# Altium PCB EL2086.PcbDoc (part 4 of 4) (continued)
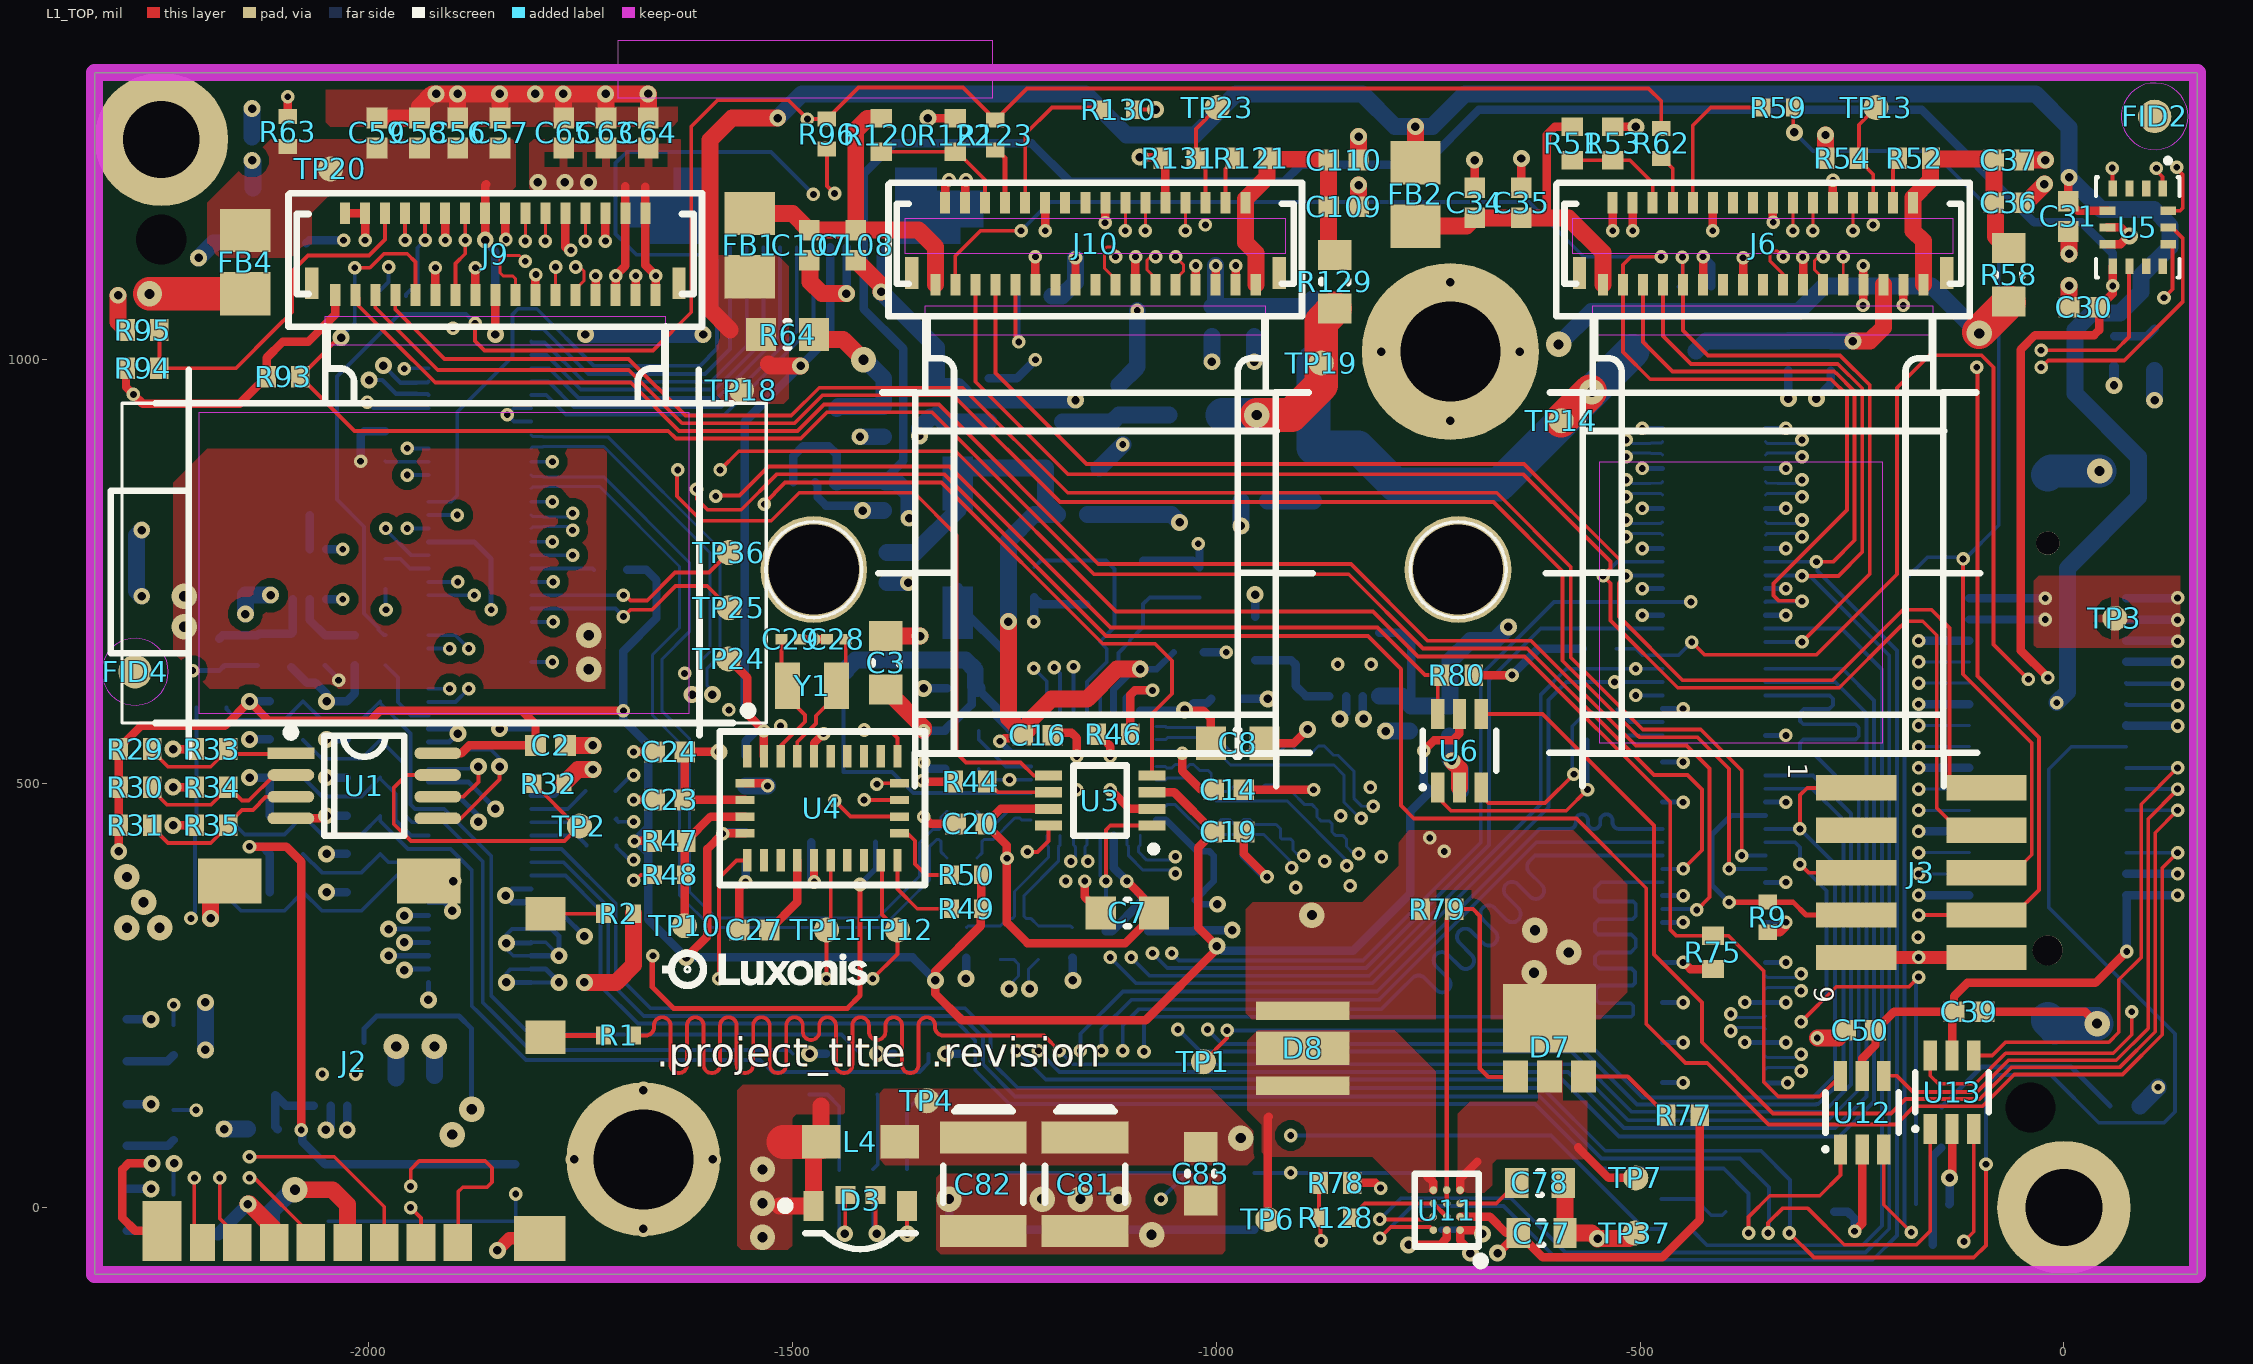
[diagram p0: L1_TOP view]
## Nets (pads, with @x,y where several pads share a name; then routed paths per layer and width w, separated by ;. In a path a pad name is that pad's centre, name@x,y a point inside that pad or via, vN(x,y) a via of type N, cw(c..) or ccw(c..) an arc to the next point about the centre after c; other vN are vias at no path point) (continued)
  L6_BOT w4.5: v1(-1052.22,300) -1043.72,291.5 -826.81,291.5 -687.83,430.48 -687.83,628.17 -601.66,714.34 J4.74@-473.35,714.34 v1(-440,714.34)
STRB: J3.6 R59.2 R78.2 R97.2 R128.2 R130.2 U12.3 | length 5737.3
  L1_TOP w4.3: U12.3@-212.41,68.69 -212.41,3.41 v1(-180,-29)
  L1_TOP w4.5: R130.2@-1097.28,1295 v2(-1071.35,1295) ; R59.2@-319.28,1297.42 -319.28,1269.28 v2(-318,1268) ; v1(-119,765) -119,629 -37.96,547.96 -37.96,416.21 -59.17,395 J3.6@-91.46,395
  L1_TOP w5: R78.2@-878.69,29 -878.69,-10.03 R128.2@-876.72,-12 -876.72,-38.28 v1(-876,-39)
  L3_HS w4.5: v1(-1976,1109.35) -1927,1060.35 -1927,844.9 -1934.9,837 -2052.02,837 -2107.5,892.48 -2107.5,1192.75 -2022.75,1277.5 -1631.5,1277.5 -1605.17,1303.83 -1081.73,1303.83 v2@-1072.9,1295 ; v2@-1069.79,1295 -1060.96,1303.83 -353.83,1303.83 v2(-318,1268) ; v1(-876,-39) -868.54,-31.54 -868.54,19.46 -841,47 -708,47 -608.01,-52.99 -203.99,-52.99 v1(-180,-29)
  L6_BOT w4.5: R97.2@-1990.72,1075 -1990.72,1076.97 -1976,1091.69 v1(-1976,1109.35) ; v2(-318,1268) -296,1246 -156,1246 -77,1167 -77,1011.1 -77,804.74 -116.74,765 v1(-119,765) -121,767 -161,767 -188,740 -188,-21 v1(-180,-29)
STRB/SCK: J7.25 U12.4 | length 708
  L1_TOP w4.3: U12.4@-212.41,155.31 -197,155.31 -177.99,136.3 -102.7,136.3 -66,173 -65.4,173.6 61.6,173.6 99.3,211.3 99.3,458.3 134,493 v1(134,493.58)
  L6_BOT w4.5: J7.25@73.35,493.58 v1(134,493.58)
STRB/SCK_SEL: R75.2 R113.1 U12.6 | length 2262
  L1_TOP w4.3: R75.2@-414,320.69 -395.69,320.69 -354,279 -354,148 -337,131 -287.9,131 U12.6@-263.59,155.31
  L1_TOP w4.5: v1(-1585,870) -1563,892 -1307,892 -1118,703 -815,703 -762,650 -636.32,650 -464.27,477.95 -464.27,327.27 -457.69,320.69 R75.2@-414,320.69
  L3_HS w4.5: v1(-1687,510) -1670,527 -1670,632 -1573,729 -1573,858 v1(-1585,870)
  L6_BOT w4.5: R113.1@-1708.19,491.24 -1689.43,510 v1(-1687,510)
STRB_IR_DRV: R128.1 U11.B2 U11.C3 | length 126.8
  L1_TOP w5: R128.1@-841.28,-12 -824.41,4.87 U11.C3@-743.75,4.87 U11.B2@-728,-10.87
STRB_L: J6.10 R59.1 | length 183.1
  L1_TOP w4.5: J6.10@-437.78,1184.95 -437.78,1200 -437.78,1276.21 -416.57,1297.42 R59.1@-354.72,1297.42
STRB_R: J10.10 R130.1 | length 187.4
  L1_TOP w4.5: J10.10@-1225.18,1184.95 -1225.18,1265.8 -1193.57,1297.42 -1135.14,1297.42 R130.1@-1132.72,1295
STRB_TOF: J9.10 R97.1 | length 107.1
  L1_TOP w4.5: v1(-1932.89,1140.78) J9.10@-1932.89,1172.85
  L6_BOT w4.5: R97.1@-1955.28,1075 -1955.28,1076.97 -1941.72,1090.54 -1941.72,1131.95 v1(-1932.89,1140.78)
SYS_RST: J1.6 J5.89 | length 478.5
  L6_BOT w4.5: J5.89@-1807.8,958.44 -1807.68,958.32 -1789.98,958.32 -1766.66,935 -1742,935 -1580,935 -1474.88,1040.12 J1.6@-1474.88,1132.42
TCK: J1.2 J5.97 | length 407.4
  L6_BOT w4.5: J5.97@-1807.8,1021.43 -1806.75,1020.38 -1791.93,1020.38 -1745.54,974 -1742,974 -1596,974 -1553.62,1016.38 J1.2@-1553.62,1132.42
TDI: J1.3 J5.95 | length 424.5
  L6_BOT w4.5: J5.95@-1807.8,1005.68 -1807.75,1005.64 -1789.91,1005.64 -1749.27,965 -1742,965 -1591.31,965 -1533.94,1022.37 J1.3@-1533.94,1132.42
TDO: J1.5 J5.91 | length 461.9
  L6_BOT w4.5: J5.91@-1807.8,974.18 -1787.57,974.18 -1757.38,944 -1742,944 -1583.73,944 -1494.57,1033.16 J1.5@-1494.57,1132.42
TMS: J1.1 J5.99 | length 389
  L6_BOT w4.5: J5.99@-1807.8,1037.18 -1806.75,1036.13 -1793.52,1036.13 -1782.38,1025 -1742,984.62 -1740.38,983 -1602.84,983 -1573.31,1012.54 J1.1@-1573.31,1132.42
TRST: J1.4 J5.93 | length 442.2
  L6_BOT w4.5: J5.93@-1807.8,989.93 -1786.93,989.93 -1752,955 -1742,955 -1588,955 -1514.25,1028.75 J1.4@-1514.25,1132.42
USB_D_N: J5.90 J7.21 | length 3375.6
  L3_HS w5.5: v2@-1998.96,976.04 -1984.15,976.04 -1974,965.9 -1974,938 -1981,931 -2033.32,931 -2066.25,963.93 -2066.25,1039 -2066.25,1041.75 -2056.25,1051.75 -2056.25,1061.75 -2066.8,1072.3 -2066.8,1082.3 -2056.25,1092.85 -2056.25,1102.85 -2066.8,1113.4 -2066.8,1123.4 -2056.25,1133.95 -2056.25,1143.95 -2066.25,1153.95 -2066.25,1166.27 -2066.25,1175.07 -2002.82,1238.5 -1405.5,1238.5 -1008.75,841.75 -671.16,841.75 -618.5,789.09 -618.5,625.57 -488.18,495.25 -310.59,495.25 -293.99,511.85 -292.05,513.79 -277.9,513.79 -270.83,520.86 -270.83,535.78 -263.76,542.85 -248.84,542.85 -241.77,549.93 -241.77,564.07 -236.63,569.21 -222.5,583.34 -222.5,660.32 -185.32,697.5 -93.18,697.5 -45.43,649.75 39.25,649.75 50.5,638.5 52.44,636.56 52.44,622.41 59.52,615.34 73.66,615.34 83.5,605.5 86,603 91,603 98.52,595.48 106.48,595.48 114,603 123,603 v1(134,592)
  L6_BOT w5: v2(-1998.97,976.03) -1983.41,976.03 -1967.19,959.81 -1942.75,959.81 -1942.42,959.48 -1930.1,959.48 J5.90@-1929.05,958.44 ; J7.21@73.35,593.58 74.15,592.79 133.21,592.79 v1(134,592)
USB_D_P: J5.92 J7.20 | length 3372.5
  L3_HS w5.5: v2(-1982,993) -1960.5,971.49 -1960.5,932.41 -1975.41,917.5 -2038.91,917.5 -2079.75,958.34 -2079.75,1180.66 -2008.41,1252 -1399.91,1252 -1217.91,1070 -1003.16,855.25 -665.57,855.25 -605,794.68 -605,631.16 -482.59,508.75 -316.18,508.75 -236,588.93 -236,665.91 -197,704.91 -190.91,711 -87.59,711 -39.84,663.25 44.84,663.25 91.59,616.5 133.5,616.5 v1(134,617)
  L6_BOT w5: v2(-1982,993) -1961.81,972.81 -1942.75,972.81 -1942.42,973.14 -1930.1,973.14 J5.92@-1929.05,974.18 ; J7.20@73.35,618.58 74.15,617.79 133.21,617.79 v1(134,617)
VDD_5V: C42.2 C43.2 C44.2 C47.2 C48.2 C80.2 C100.2 D3.1 J5.5 J5.6 J5.7 J5.8 J5.9 J5.10 J5.11 J5.12 J7.14 J7.15 J7.16 J7.17 J7.18 L4.1 R3.2 R4.2 R60.2 R124.2 TP3.1 U8.1 U8.8 U9.1 U9.3 U10.1 U10.8 U22.1 | length 1937.1
  L1_TOP w20: -1515,2.11 D3.1@-1474.68,2.11 -1474.68,68.56 L4.1@-1465.83,77.42 -1465.83,120
  L1_TOP w40: -1510,77.42 L4.1@-1465.83,77.42
  L6_BOT w4.3: J5.5@-1807.8,297.02 -1829.02,297.02 -1837,305 v2(-1837,312) -1837,322 -1830.49,328.51 J5.9@-1807.8,328.51 ; J5.7@-1807.8,312.77 -1790.75,312.77 v2(-1775,297.02)
  L6_BOT w6: R124.2@-2050.74,639.39 -2035,623.65 v1(-2035,621.9) ; U8.8@-2005.04,194.82 -2005.04,210.96 -1990,226 -1893,226 -1878,211 v3@-1878,116.25 ; v2(-1975.95,297.02) J5.6@-1929.05,297.02 ; v2(-1975.95,328.51) J5.10@-1929.05,328.51 ; v2(-1957.28,312.77) J5.8@-1929.05,312.77 ; v2(-1957.28,344.26) J5.12@-1929.05,344.26 ; v3(-1878,116) v3@-1878,116.25 ; v3@-1873,121.25 v3@-1878,116.25 ; v2(-1837,312) -1808.56,312 J5.7@-1807.8,312.77 ; J5.5@-1807.8,297.02 v2(-1775,297.02) -1775,320 -1783.51,328.51 J5.9@-1807.8,328.51 ; J5.11@-1807.8,344.26 -1769.26,344.26 v2(-1745,320)
  L6_BOT w10: v1(-2009,880.28) -2009,911.19 -2004.48,915.72 R60.2@-1980,915.72 ; U9.3@-1267.87,978.01 -1235.07,978.01 v1(-1213.08,1000) ; U10.8@-807.32,678 -782,678 -769.97,665.97 C47.2@-769.97,591.72 ; J7.14@-111.69,693.58 v1(-22,693.58) ; J7.15@-111.69,718.58 v1(-22,718.58) ; J7.18@73.35,668.58 73.65,668.29 133.71,668.29 v1(134,668) ; J7.17@73.35,693.58 73.65,693.29 133.71,693.29 v1(134,693) ; J7.16@73.35,718.58 73.56,718.79 133.79,718.79 v1(134,719)
  L6_BOT w11.81: v2(59,969.72) R3.2@59,992
  L6_BOT w20: v2(-1350,910) -1350,919.11 -1336.61,932.5 -1331.77,932.5 C44.2@-1329.57,934.7 -1321.69,926.83 U9.1@-1267.87,926.83 ; U10.1@-807.32,603.2 -781.45,603.2 C47.2@-772,593.75 -769.97,591.72 C48.2@-725,591.72 ; C48.2@-724,591.72 -724,645 -700,669 -671.32,669 v2(-655.32,685) ; R4.2@89.72,120 111,141.28 v1(111,142)
  other v3: -1535,-35 -1535,5 -1535,45 -1901,86 -1740,635 -1740,675 -2217,685 -2217,721
XI: C21.2 R45.1 U2.28 X1.1 | length 289
  L6_BOT w4.5: C21.2@-1214.57,755.14 -1206.69,763.01 X1.1@-1153.03,763.01 -1130.01,763.01 -1120,753 -1120,684.7 R45.1@-1137.28,667.42 -1129,659.14 -1129,643.28 -1152.44,619.84 U2.28@-1152.44,586.24
XIN: C29.2 U4.27 Y1.1 | length 161.3
  L1_TOP w4.5: U4.27@-1513.62,532.42 -1513.62,544.38 -1485,573 -1485,581 -1505.31,601.31 Y1.1@-1505.31,615.42 -1512.59,622.7 C29.2@-1512.59,670.42
XO: C22.2 R45.2 U2.29 X1.3 | length 216.3
  L6_BOT w4.5: U2.29@-1136.69,586.24 -1136.69,616.31 -1115,638 -1115,654.27 R45.2@-1101.85,667.42 -1101.85,669.15 -1086.1,684.9 X1.3@-1086.1,711.83 -1078.23,719.7 C22.2@-1019.57,719.7
XOUT: C28.2 U4.26 Y1.2 | length 161.7
  L1_TOP w4.5: U4.26@-1493.94,532.42 -1493.94,549.06 -1472,571 -1472,580 -1447.83,604.17 Y1.2@-1447.83,615.42 -1436.8,626.44 C28.2@-1436.8,670.42
pads on no net: FID1.1 FID2.1 FID3.1 FID4.1 J1.11 J1.12 J3.3 J4.4 J4.6 J4.10 J4.12 J4.16 J4.18 J4.22 J4.24 J4.42 J4.46 J4.48 J4.49 J4.51 J4.52 J4.55 J4.57 J4.68 J5.31 J5.33 J5.35 J5.37 J5.41 J5.43 J5.45 J5.47 J5.48 J5.50 J5.51 J5.53 J5.56 J5.58 J5.76 J5.84 J5.86 J5.96 J5.98 J6.0 J6.13 J6.14 J6.16 J6.17 J7.27 J7.C1 J7.C2 J9.0 J10.0 J10.13 J10.14 J10.16 J10.17 U4.1 U4.7 U4.8 U4.12 U4.13 U4.21 U4.22 U4.23 U4.24 U5.2 U5.3 U5.10 U5.11 U7.4 U8.6 U9.4 U10.6

## Polygon pours and split planes (outlines as drawn)
3V3 on L4_POWER "3V3_L04_P000" (solid, remove dead copper, pour order 0): -1335,805 -1335,860 -1490,1015 -1490,1290 -1535,1335 -2250,1335 -2300,1285 -2300,-67 -2287,-80 -2080,-80 -2065,-65 -2065,928 -2038,955 -1588,955 -1418,785 -1355,785
5V_LED on L4_POWER "5V_LED_L04_P012" (solid, pour order 12): -1040,-110.7 -1040,220 -511.72,220 -490,198.28 -490,-130
VDD_5V on L4_POWER "VDD_5V_L04_P018" (solid, remove dead copper, pour order 18): -2322.83,-78.74 157.48,-78.74 157.48,1338.58 -2322.83,1338.58
NetC49_2 on L6_BOT "NETC49_2_L06_P022" (solid, pour order 22): -921,858 -928,851 -928,673 -922,667 -862,667 -859,670 -859,852.63 -864.37,858
NetL6_1 on L6_BOT "NETL6_1_L06_P020" (solid, pour order 20): -2235,886 -2239,882 -2239,810 -2232,803 -2091.74,803 -2089.74,805 -2060,805 -2057,808 -2057,881 -2062,886
VDD_5V on L6_BOT "VDD_5V_L06_P019" (solid, pour order 19): -2237.6,707.6 -2237.6,673.6 -2234,670 -2201,670 -2199,672 -2199,696 -2195,700 -2171.86,723.14 -2171.86,740 -2166.86,745 -2087.48,745 -2075,757.48 -2075,790 -2080,795 -2230,795 -2237.6,787.4
3V3 on L6_BOT "3V3_L06_P017" (solid, pour order 17): -2302,393 -2295,400 -2230,400 -2225,395 -2225,325 -2210,310 -2210,260 -2215,255 -2296,255 -2302,261
NetL2_1 on L6_BOT "NETL2_1_L06_P016" (solid, pour order 16): -2047,330 -2050,327 -2050,229.14 -2029,208.14 -2029,187 -2020,187 -2020,215 -2007,228 -2007,324 -2013,330
NetC46_2 on L6_BOT "NETC46_2_L06_P015" (solid, pour order 15): -2181,333 -2184,330 -2184,250 -2171,237 -2171,176.81 -2162.19,168 -2098,168 -2080,186 -2061,186 -2061,217 -2082,238 -2082,327 -2088,333
VDD_5V on L6_BOT "VDD_5V_L06_P014" (solid, pour order 14): -2009,130 -2009,76 -2004,71 -1869,71 -1863,77 -1863,123 -1870,130
GND on L6_BOT "GND_L06_P007" (solid, pour order 7): -1935,1318.58 -1935,1263.42 -1931.58,1260 -1718.18,1260 -1716,1262.18 -1716,1335 -1927.89,1335 -1935,1327.89
NetC101_2 on L6_BOT "NETC101_2_L06_P006" (solid, pour order 6): -2107,1109 -2114,1102 -2229,1102 -2234,1097 -2234,1024 -2227,1017 -2071,1017 -2040,1048 -2040,1240 -2020,1260 -1950,1260 -1945,1265 -1945,1310 -1953,1318 -2093,1318 -2107,1304
3V3_VCSEL on L6_BOT "3V3_VCSEL_L06_P004" (solid, pour order 4): -1725,1125 -1731.81,1118.19 -1731.81,1056.81 -1730,1055 -1600,1055 -1595,1060 -1595,1115 -1605,1125
3V3_VCSEL on L6_BOT "3V3_VCSEL_L06_P002" (solid, pour order 2): -2000,1240 -2005,1235 -2005,1162.28 -2002.72,1160 -1715,1160 -1710,1165 -1710,1225 -1725,1240
NetL3_1 on L6_BOT "NETL3_1_L06_P001" (solid, pour order 1): -836.84,669.84 -834,667 -821,667 -820,668 -820,690.59 -799.75,710.84 -799.75,791.75 -804,796 -833.84,796 -836.84,793
5V_LED on L1_TOP "5V_LED_L01_P010" (solid, pour order 10): -1391.71,140 -1396.71,135 -1396.71,56.71 -1390,50 -963,50 -955,58 -955,89 -1006,140
GND on L1_TOP "GND_L01_P027" (solid, pour order 27): -1641,1275 -1635,1281 -1635,1331 -1640,1336 -2038.57,1336 -2050,1324.57 -2050,1280 -2045,1275
GND on L1_TOP "GND_L01_P026" (solid, pour order 26): -802,222 -958,222 -965,229 -965,352 -957,360 -922.94,359.94 -922.87,360 -827.71,360 -784.65,403.06 -784.65,430.42 -772.5,445 -563.95,445 -515,396.05 -515,254 -547,222
VDD_5V on L1_TOP "VDD_5V_L01_P024" (solid, pour order 24): -1718.46,895 -2190,895 -2230,855 -2230,655 -2186.98,611.98 -1720.28,611.98
VDD_5V on L1_TOP "VDD_5V_L01_P023" (solid, pour order 23): -1443,145 -1438,140 -1438,112 -1440,110 -1495,110 -1500,105 -1500,-45 -1505,-50 -1560,-50 -1565,-45 -1565,138.56 -1558.56,145
1V8 on L1_TOP "1V8_L01_P021" (solid, pour order 21): -1589,958 -1579,948 -1510,948 -1504,954 -1504,1110 -1517,1123 -1589,1123
VDD_5V on L1_TOP "VDD_5V_L01_P013" (solid, pour order 13): -30,745 -45,730 -45,665 -40,660 141.42,660 150,668.58 150,740 145,745
GND on L1_TOP "GND_L01_P011" (solid, pour order 11): -993,40 -989,36 -989,-51 -993,-55 -1325,-55 -1330,-50 -1330,35 -1325,40
LED1 on L1_TOP "LED1_L01_P009" (solid, pour order 9): -946.11,97.89 -946.11,65.11 -941,60 -816,60 -772,16 -743.75,16 -740.23,19.52 -740.23,30 -736.23,34 -736.23,156 -789.23,209 -951,209 -963.23,196.77 -963.23,115
LED2 on L1_TOP "LED2_L01_P008" (solid, pour order 8): -717.11,109 -701.11,125 -622,125 -620,127 -620,173.17 -567.11,173.17 -562.11,168.17 -562.11,78.17 -562.14,78.14 -562.02,61.98 -567,57 -669,57 -674.5,51.5 -674.5,26.5 -685,16 -716,16 -716,35 -715.47,35.53 -717.11,37.17
3V3_TOF on L1_TOP "3V3_TOF_L01_P005" (solid, pour order 5): -1829.84,1259.84 -1826.3,1256.3 -1826.3,1203.7 -1835,1195 -2045,1195 -2066.45,1173.55 -2066.45,1135 -2081.45,1120 -2175,1120 -2190,1135 -2190,1185 -2115.16,1259.84 -2085,1259.84
3V3_VCSEL on L1_TOP "3V3_VCSEL_L01_P003" (solid, pour order 3): -1632,1260 -1629,1257 -1629,1199.38 -1632.38,1196 -1803.89,1196 -1810,1202.11 -1810,1255 -1805,1260
GND on L5_GND "GND_L05_P025" (solid, pour order 25): -2320,-75 -2320,1340 155,1340 155,-75
GND on L2_GND (split plane): 137.38,-58.64 -2302.74,-58.64 -2302.74,1318.49 137.38,1318.49

## Keep-outs
Keep-Out Layer:
  the board outline again, w20

## Silkscreen, mask and mechanical layers (free items; w line width, h text height)
Top Overlay:
  drawing of 18 lines, arcs and shapes, not listed
  text ".project_title  .revision" at -1660.36,154.13 h59.06
Bottom Overlay:
  text ".project_title  .revision" at -583.87,1253.31 h59.06
out line:
  the board outline again, w0.5
dxf_02242023:
  circle w0.5: c-2244.09,1141.73 r29.53
  circle w0.5: c-39.37,118.11 r29.53
  circle w0.5: c-39.37,0 r49.21
  circle w0.5: c-2244.09,1259.84 r49.21
  circle w0.5: c-1474.57,752.42 r53.15
  circle w0.5: c-714.57,752.42 r53.15
  circle w0.5: c-1636.12,56.87 r43.31
  circle w0.5: c-684.35,1009.62 r43.31
  circle w0.5: c-354.33,748.56 r31.62
  circle w0.5: c-1141.73,748.56 r10.83
  region: 39.37,-652.74 -90.63,-672.74 -90.63,-632.74
  region: -2192.83,-672.74 -2322.83,-652.74 -2192.83,-632.74
  region: 977.98,1208.58 937.98,1208.58 957.98,1338.58
  region: 957.98,-78.74 937.98,51.26 977.98,51.26
  lines w0.5: -2391.73,1259.84 -2342.52,1259.84 -2244.09,1259.84 ; -2372.05,1141.73 -2342.52,1141.73 -2244.09,1141.73 ; -2322.83,-692.11 -2322.83,-118.11 ; -2322.83,-652.74 39.37,-652.74 ; -2244.09,1013.78 -2244.09,1043.31 -2244.09,1141.73 ; -2244.09,1112.2 -2244.09,1161.42 -2244.09,1259.84 ; -2244.09,1269.69 -2244.09,1240.16 -2244.09,1141.73 ; -2244.09,1407.48 -2244.09,1358.27 -2244.09,1259.84 ; -2116.14,1141.73 -2145.67,1141.73 -2244.09,1141.73 ; -2096.46,1259.84 -2145.67,1259.84 -2244.09,1259.84 ; -1777.86,56.87 -1734.55,56.87 -1636.12,56.87 ; -1636.12,-84.87 -1636.12,-41.56 -1636.12,56.87 ; -1636.12,198.6 -1636.12,155.29 -1636.12,56.87 ; -1626.14,752.42 -1572.99,752.42 -1474.57,752.42 ; -1494.39,56.87 -1537.7,56.87 -1636.12,56.87 ; -1474.57,600.85 -1474.57,654 -1474.57,752.42 ; -1474.57,904 -1474.57,850.85 -1474.57,752.42 ; -1322.99,752.42 -1376.14,752.42 -1474.57,752.42 ; -1250.99,748.56 -1240.16,748.56 -1141.73,748.56 ; -1141.73,639.3 -1141.73,650.14 -1141.73,748.56 ; -1141.73,857.82 -1141.73,846.99 -1141.73,748.56 ; -1032.47,748.56 -1043.31,748.56 -1141.73,748.56 ; -866.14,752.42 -812.99,752.42 -714.57,752.42 ; -826.08,1009.62 -782.78,1009.62 -684.35,1009.62 ; -714.57,600.85 -714.57,654 -714.57,752.42 ; -714.57,904 -714.57,850.85 -714.57,752.42 ; -684.35,867.89 -684.35,911.2 -684.35,1009.62 ; -684.35,1151.35 -684.35,1108.05 -684.35,1009.62 ; -562.99,752.42 -616.14,752.42 -714.57,752.42 ; -542.62,1009.62 -585.93,1009.62 -684.35,1009.62 ; -484.38,748.56 -452.76,748.56 -354.33,748.56 ; -354.33,618.52 -354.33,650.14 -354.33,748.56 ; -354.33,878.61 -354.33,846.99 -354.33,748.56 ; -224.28,748.56 -255.91,748.56 -354.33,748.56 ; -187.01,0 -137.8,0 -39.37,0 ; -167.32,118.11 -137.8,118.11 -39.37,118.11 ; -39.37,-147.64 -39.37,-98.43 -39.37,0 ; -39.37,-9.84 -39.37,19.68 -39.37,118.11 ; -39.37,147.64 -39.37,98.43 -39.37,0 ; -39.37,246.06 -39.37,216.54 -39.37,118.11 ; 39.37,-692.11 39.37,-118.11 ; 78.74,-78.74 997.35,-78.74 ; 78.74,1338.58 997.35,1338.58 ; 88.58,118.11 59.06,118.11 -39.37,118.11 ; 108.27,0 59.06,0 -39.37,0 ; 957.98,-78.74 957.98,1338.58 ; -2322.83,-78.74 39.37,-78.74 39.37,1338.58 -2322.83,1338.58 -2322.83,-78.74
  text "36.00" at 780.35,318.37 h137.8 r90
  text "60.00" at -1369.76,-475.11 h137.8
DXF_03202023:
  drawing of 9998 lines, arcs and shapes, not listed
  text "1" at 2556.32,11904.06 h137.8
  text "2" at 4524.83,11904.06 h137.8
  text "3" at 6493.33,11904.06 h137.8
  text "4" at 8461.83,11904.06 h137.8
  text "5" at 10430.34,11904.06 h137.8
  text "REVISION" at 10234.9,11657.93 h62.5
  text "A" at 1592.87,11535.54 h137.8
  text "A" at 12301.54,11535.54 h137.8
  text "REV" at 8754.67,11468.78 h62.5
  text "DESCRIPTION" at 9515.97,11468.78 h62.5
  text "DATE" at 10840.34,11468.78 h62.5
  text "CHG BY" at 11682.38,11468.78 h62.5
  text "1" at 3283.32,11464.06 h137.8
  text "2" at 5251.83,11464.06 h137.8
  text "3" at 7220.33,11464.06 h137.8
  text "4" at 9188.83,11464.06 h137.8
  text "5" at 11157.34,11464.06 h137.8
  text "2023/3/20" at 10568.56,11334.74 h137.8
  text "1" at 8785.4,11315.94 h125
  text "INITIAL RELEASE" at 9174.48,11315.94 h125
  text "REVISION" at 10961.9,11217.93 h62.5
  text "A" at 2319.87,11095.54 h137.8
  text "A" at 13028.54,11095.54 h137.8
  text "REV" at 9481.67,11028.78 h62.5
  text "DESCRIPTION" at 10242.97,11028.78 h62.5
  text "DATE" at 11567.34,11028.78 h62.5
  text "CHG BY" at 12409.38,11028.78 h62.5
  text "2023/3/20" at 11295.56,10894.74 h137.8
  text "1" at 9512.4,10875.94 h125
  text "INITIAL RELEASE" at 9901.48,10875.94 h125
  text "B" at 1592.87,9567.04 h137.8
  text "B" at 12301.54,9567.04 h137.8
  text "B" at 2319.87,9127.04 h137.8
  text "B" at 13028.54,9127.04 h137.8
  text "C" at 1592.87,7598.53 h137.8
  text "C" at 12301.54,7598.53 h137.8
  text "C" at 2319.87,7158.53 h137.8
  text "C" at 13028.54,7158.53 h137.8
  text "(0,0)" at 10943.11,7003.78 h137.8
  text "(0,0)" at 2301.37,6950.82 h137.8
  text "Component cleanerance" at 5107.27,6837.44 h137.8
  text "(0,0)" at 11837.74,6563.78 h137.8
  text "(0,0)" at 3028.37,6510.82 h137.8
  text "PROPRIETARY & CONFIDENTIAL" at 7715.27,5717.38 h52.08
  text "TOLERANCES:" at 8840.05,5717.38 h52.08
  text "D" at 1592.87,5630.03 h137.8
  text "D" at 12301.54,5630.03 h137.8
  text "DIMENSIONS ARE IN" at 8840.05,5594.8 h31.25
  text "ANGLAR: ±1" at 9751.69,5554.36 h31.25
  text "MIKKIMETERS." at 8840.05,5553.14 h31.25
  text "X:  ±1" at 9759.35,5512.69 h31.25
  text "THE INFORMATION CONTAINED IN THIS" at 8188.14,5504.98 h31.25
  text "X.X:  ±0.3" at 9757.22,5471.03 h31.25
  text "DRAWING IS THE SOLE PROPERTY OF LUXONIS" at 8188.62,5463.32 h31.25
  text "X.XX:  ±0.13" at 9756.63,5429.36 h31.25
  text "HOLDING. ANY REPRODUCTION IN PART OF AS" at 8184.89,5421.65 h31.25
  text "X.XXX:  ±0.08" at 9756.68,5387.69 h31.25
  text "A WHOLE WITHOUT WRITTEN PERMISSION OF" at 8189.49,5379.98 h31.25
  text "HOLE TO HOLE:  ±0.13" at 9755.72,5346.03 h31.25
  text "LUXONIS HOLDING IS PROHIBITED" at 8191.78,5338.32 h31.25
  text "HOLEØ:  ±0.08/-0.05" at 9751.95,5304.36 h31.25
  text "PROPRIETARY & CONFIDENTIAL" at 8442.27,5277.38 h52.08
  text "TOLERANCES:" at 9567.05,5277.38 h52.08
  text "MODEL - DERIVED FEATURES:  ±0.3" at 9748.79,5262.69 h31.25
  text "D" at 2319.87,5190.03 h137.8
  text "D" at 13028.54,5190.03 h137.8
  text "DIMENSIONS ARE IN" at 9567.05,5154.8 h31.25
  text "ANGLAR: ±1" at 10478.69,5114.36 h31.25
  text "MIKKIMETERS." at 9567.05,5113.14 h31.25
  text "DESCRIPTION:" at 9949.09,5080.26 h52.08
  text "X:  ±1" at 10486.35,5072.69 h31.25
  text "THE INFORMATION CONTAINED IN THIS" at 8915.14,5064.98 h31.25
  text "MATERIAL:" at 8840.05,5059.54 h31.25
  text "REF NOTE" at 9292.05,5059.54 h31.25
  text "THIRD ANGLE PROJECTION:" at 7944.1,5050.02 h31.25
  text "X.X:  ±0.3" at 10484.22,5031.03 h31.25
  text "DRAWING IS THE SOLE PROPERTY OF LUXONIS" at 8915.62,5023.32 h31.25
  text "X.XX:  ±0.13" at 10483.63,4989.36 h31.25
  text "HOLDING. ANY REPRODUCTION IN PART OF AS" at 8911.89,4981.65 h31.25
  text "X.XXX:  ±0.08" at 10483.68,4947.69 h31.25
  text "A WHOLE WITHOUT WRITTEN PERMISSION OF" at 8916.49,4939.98 h31.25
  text "FINISH:" at 8877.52,4914.42 h31.25
  text "REF NOTE" at 9292.05,4914.42 h31.25
  text "EL2086_Production_KeemBay" at 10554.8,4913.95 h62.6
  text "HOLE TO HOLE:  ±0.13" at 10482.72,4906.03 h31.25
  text "LUXONIS HOLDING IS PROHIBITED" at 8918.78,4898.32 h31.25
  text "DWG. NO. :" at 9949.09,4897.63 h41.67
  text "HOLEØ:  ±0.08/-0.05" at 10478.95,4864.36 h31.25
  text "MODEL - DERIVED FEATURES:  ±0.3" at 10475.79,4822.69 h31.25
  text "SCALE : 1:1" at 10944.39,4772.04 h62.6
  text "SHEET : 1 - 1" at 11669.16,4772.04 h62.6
  text "DO NOT SCALE DRAWING" at 7932.92,4762.17 h31.25
  text "PER ASME Y14.41 - 2003." at 9098.77,4762.17 h31.25
  text "SIZE :" at 9945.7,4751.14 h41.67
  text "DESCRIPTION:" at 10676.09,4640.26 h52.08
  text "1" at 2556.32,4620.59 h137.8
  text "2" at 4524.83,4620.59 h137.8
  text "3" at 6493.33,4620.59 h137.8
  text "4" at 8461.83,4620.59 h137.8
  text "5" at 10430.34,4620.59 h137.8
  text "A4" at 11864.42,4620.59 h137.8
  text "MATERIAL:" at 9567.05,4619.54 h31.25
  text "REF NOTE" at 10019.05,4619.54 h31.25
  text "THIRD ANGLE PROJECTION:" at 8671.1,4610.02 h31.25
  text "FINISH:" at 9604.52,4474.42 h31.25
  text "REF NOTE" at 10019.05,4474.42 h31.25
  text "EL2086_Production_KeemBay" at 11281.8,4473.95 h62.6
  text "DWG. NO. :" at 10676.09,4457.63 h41.67
  text "SCALE : 1:1" at 11671.39,4332.04 h62.6
  text "SHEET : 1 - 1" at 12396.16,4332.04 h62.6
  text "DO NOT SCALE DRAWING" at 8659.92,4322.17 h31.25
  text "PER ASME Y14.41 - 2003." at 9825.77,4322.17 h31.25
  text "SIZE :" at 10672.7,4311.14 h41.67
  text "1" at 3283.32,4180.59 h137.8
  text "2" at 5251.83,4180.59 h137.8
  text "3" at 7220.33,4180.59 h137.8
  text "4" at 9188.83,4180.59 h137.8
  text "5" at 11157.34,4180.59 h137.8
  text "A4" at 12591.42,4180.59 h137.8
Top DXF:
  drawing of 8026 lines, arcs and shapes, not listed
Bottom DXF:
  drawing of 10306 lines, arcs and shapes, not listed
dxf_2099:
  drawing of 6867 lines, arcs and shapes, not listed
  text "1" at 1675.32,9771.06 h137.8
  text "2" at 3643.82,9771.06 h137.8
  text "3" at 5612.33,9771.06 h137.8
  text "4" at 7580.83,9771.06 h137.8
  text "5" at 9549.34,9771.06 h137.8
  text "REVISION" at 9353.9,9524.93 h62.5
  text "A" at 711.87,9402.54 h137.8
  text "A" at 11420.53,9402.54 h137.8
  text "REV" at 7873.66,9335.78 h62.5
  text "DESCRIPTION" at 8634.97,9335.78 h62.5
  text "DATE" at 9959.34,9335.78 h62.5
  text "CHG BY" at 10801.38,9335.78 h62.5
  text "2023/3/22" at 9687.56,9201.74 h137.8
  text "1" at 7904.39,9182.95 h125
  text "INITIAL RELEASE" at 8293.48,9182.95 h125
  text "B" at 711.87,7434.04 h137.8
  text "B" at 11420.53,7434.04 h137.8
  text "C" at 711.87,5465.53 h137.8
  text "C" at 11420.53,5465.53 h137.8
  text "PROPRIETARY & CONFIDENTIAL" at 6834.27,3584.39 h52.08
  text "TOLERANCES:" at 7959.05,3584.39 h52.08
  text "D" at 711.87,3497.03 h137.8
  text "D" at 11420.53,3497.03 h137.8
  text "DIMENSIONS ARE IN" at 7959.05,3461.8 h31.25
  text "ANGLAR: ±1" at 8870.68,3421.36 h31.25
  text "MIKKIMETERS." at 7959.05,3420.14 h31.25
  text "X:  ±1" at 8878.35,3379.69 h31.25
  text "THE INFORMATION CONTAINED IN THIS" at 7307.14,3371.98 h31.25
  text "X.X:  ±0.3" at 8876.22,3338.03 h31.25
  text "DRAWING IS THE SOLE PROPERTY OF LUXONIS" at 7307.62,3330.32 h31.25
  text "X.XX:  ±0.13" at 8875.63,3296.36 h31.25
  text "HOLDING. ANY REPRODUCTION IN PART OF AS" at 7303.89,3288.65 h31.25
  text "X.XXX:  ±0.08" at 8875.68,3254.69 h31.25
  text "A WHOLE WITHOUT WRITTEN PERMISSION OF" at 7308.49,3246.98 h31.25
  text "HOLE TO HOLE:  ±0.13" at 8874.72,3213.03 h31.25
  text "LUXONIS HOLDING IS PROHIBITED" at 7310.78,3205.32 h31.25
  text "HOLEØ:  ±0.08/-0.05" at 8870.95,3171.36 h31.25
  text "MODEL - DERIVED FEATURES:  ±0.3" at 8867.78,3129.69 h31.25
  text "DESCRIPTION:" at 9068.09,2947.26 h52.08
  text "MATERIAL:" at 7959.05,2926.54 h31.25
  text "REF NOTE" at 8411.05,2926.54 h31.25
  text "THIRD ANGLE PROJECTION:" at 7063.1,2917.02 h31.25
  text "FINISH:" at 7996.52,2781.42 h31.25
  text "REF NOTE" at 8411.05,2781.42 h31.25
  text "NG2099" at 9673.8,2780.95 h62.6
  text "DWG. NO. :" at 9068.09,2764.63 h41.67
  text "SCALE : 1:1" at 10063.39,2639.04 h62.6
  text "SHEET : 1 - 1" at 10788.16,2639.04 h62.6
  text "DO NOT SCALE DRAWING" at 7051.92,2629.17 h31.25
  text "PER ASME Y14.41 - 2003." at 8217.76,2629.17 h31.25
  text "SIZE :" at 9064.7,2618.14 h41.67
  text "1" at 1675.32,2487.59 h137.8
  text "2" at 3643.82,2487.59 h137.8
  text "3" at 5612.33,2487.59 h137.8
  text "4" at 7580.83,2487.59 h137.8
  text "5" at 9549.34,2487.59 h137.8
  text "A4" at 10983.42,2487.59 h137.8

## Dimensions
-1825.72,748.03 to -2322.83,-78.74 on Top DXF
-607.49,207.98 to -898.19,187.97 on Top DXF
-2085.45,793.52 to -1825.81,783.02 on Top DXF
-1141.48,547.78 to -1826.35,783.01 on Top DXF
-354.33,748.56 to -1141.48,748.56 on DimBot
-2322.83,1338.58 to -2322.83,-78.74 on DimBot
157.48,-78.74 to -2322.83,-78.74 on DimBot

## Text inside footprints (layer, text, board x,y; h text height)
D8: Top Assembly "c" at -836.29,224.79 h39.37
J1: Bottom Overlay "10" at -1378.33,1116.77 h39.37 r180; Bottom Overlay "1" at -1607.9,1116.77 h39.37 r180; Assembly Notes "Top contact ffc" at -1592.89,1297.87 h39.37 r180
J3: Top Overlay "9" at -302.09,261.14 h39.37 r270; Top Overlay "1" at -332.68,524.61 h39.37 r270
J4: Bottom Assembly "CONNECTOR A" at -258.56,556.87 h60 r270
J5: Bottom Assembly "BW2099 Module / <1mm clearance" at -1266.06,923.01 h78.74 r90; Bottom Assembly "CONNECTOR B" at -1943.46,848.2 h60 r90
J6: Top Courtyard "OV9282/IMX214" at -221.45,605.94 h39.37 r180; Top Courtyard "IMX378" at -295.28,563.09 h39.37 r180
J10: Top Courtyard "OV9282/IMX214" at -1008.86,605.94 h39.37 r180; Top Courtyard "IMX378" at -1082.68,563.09 h39.37 r180